# KiCad board m-blanc.kicad_pcb (continued)
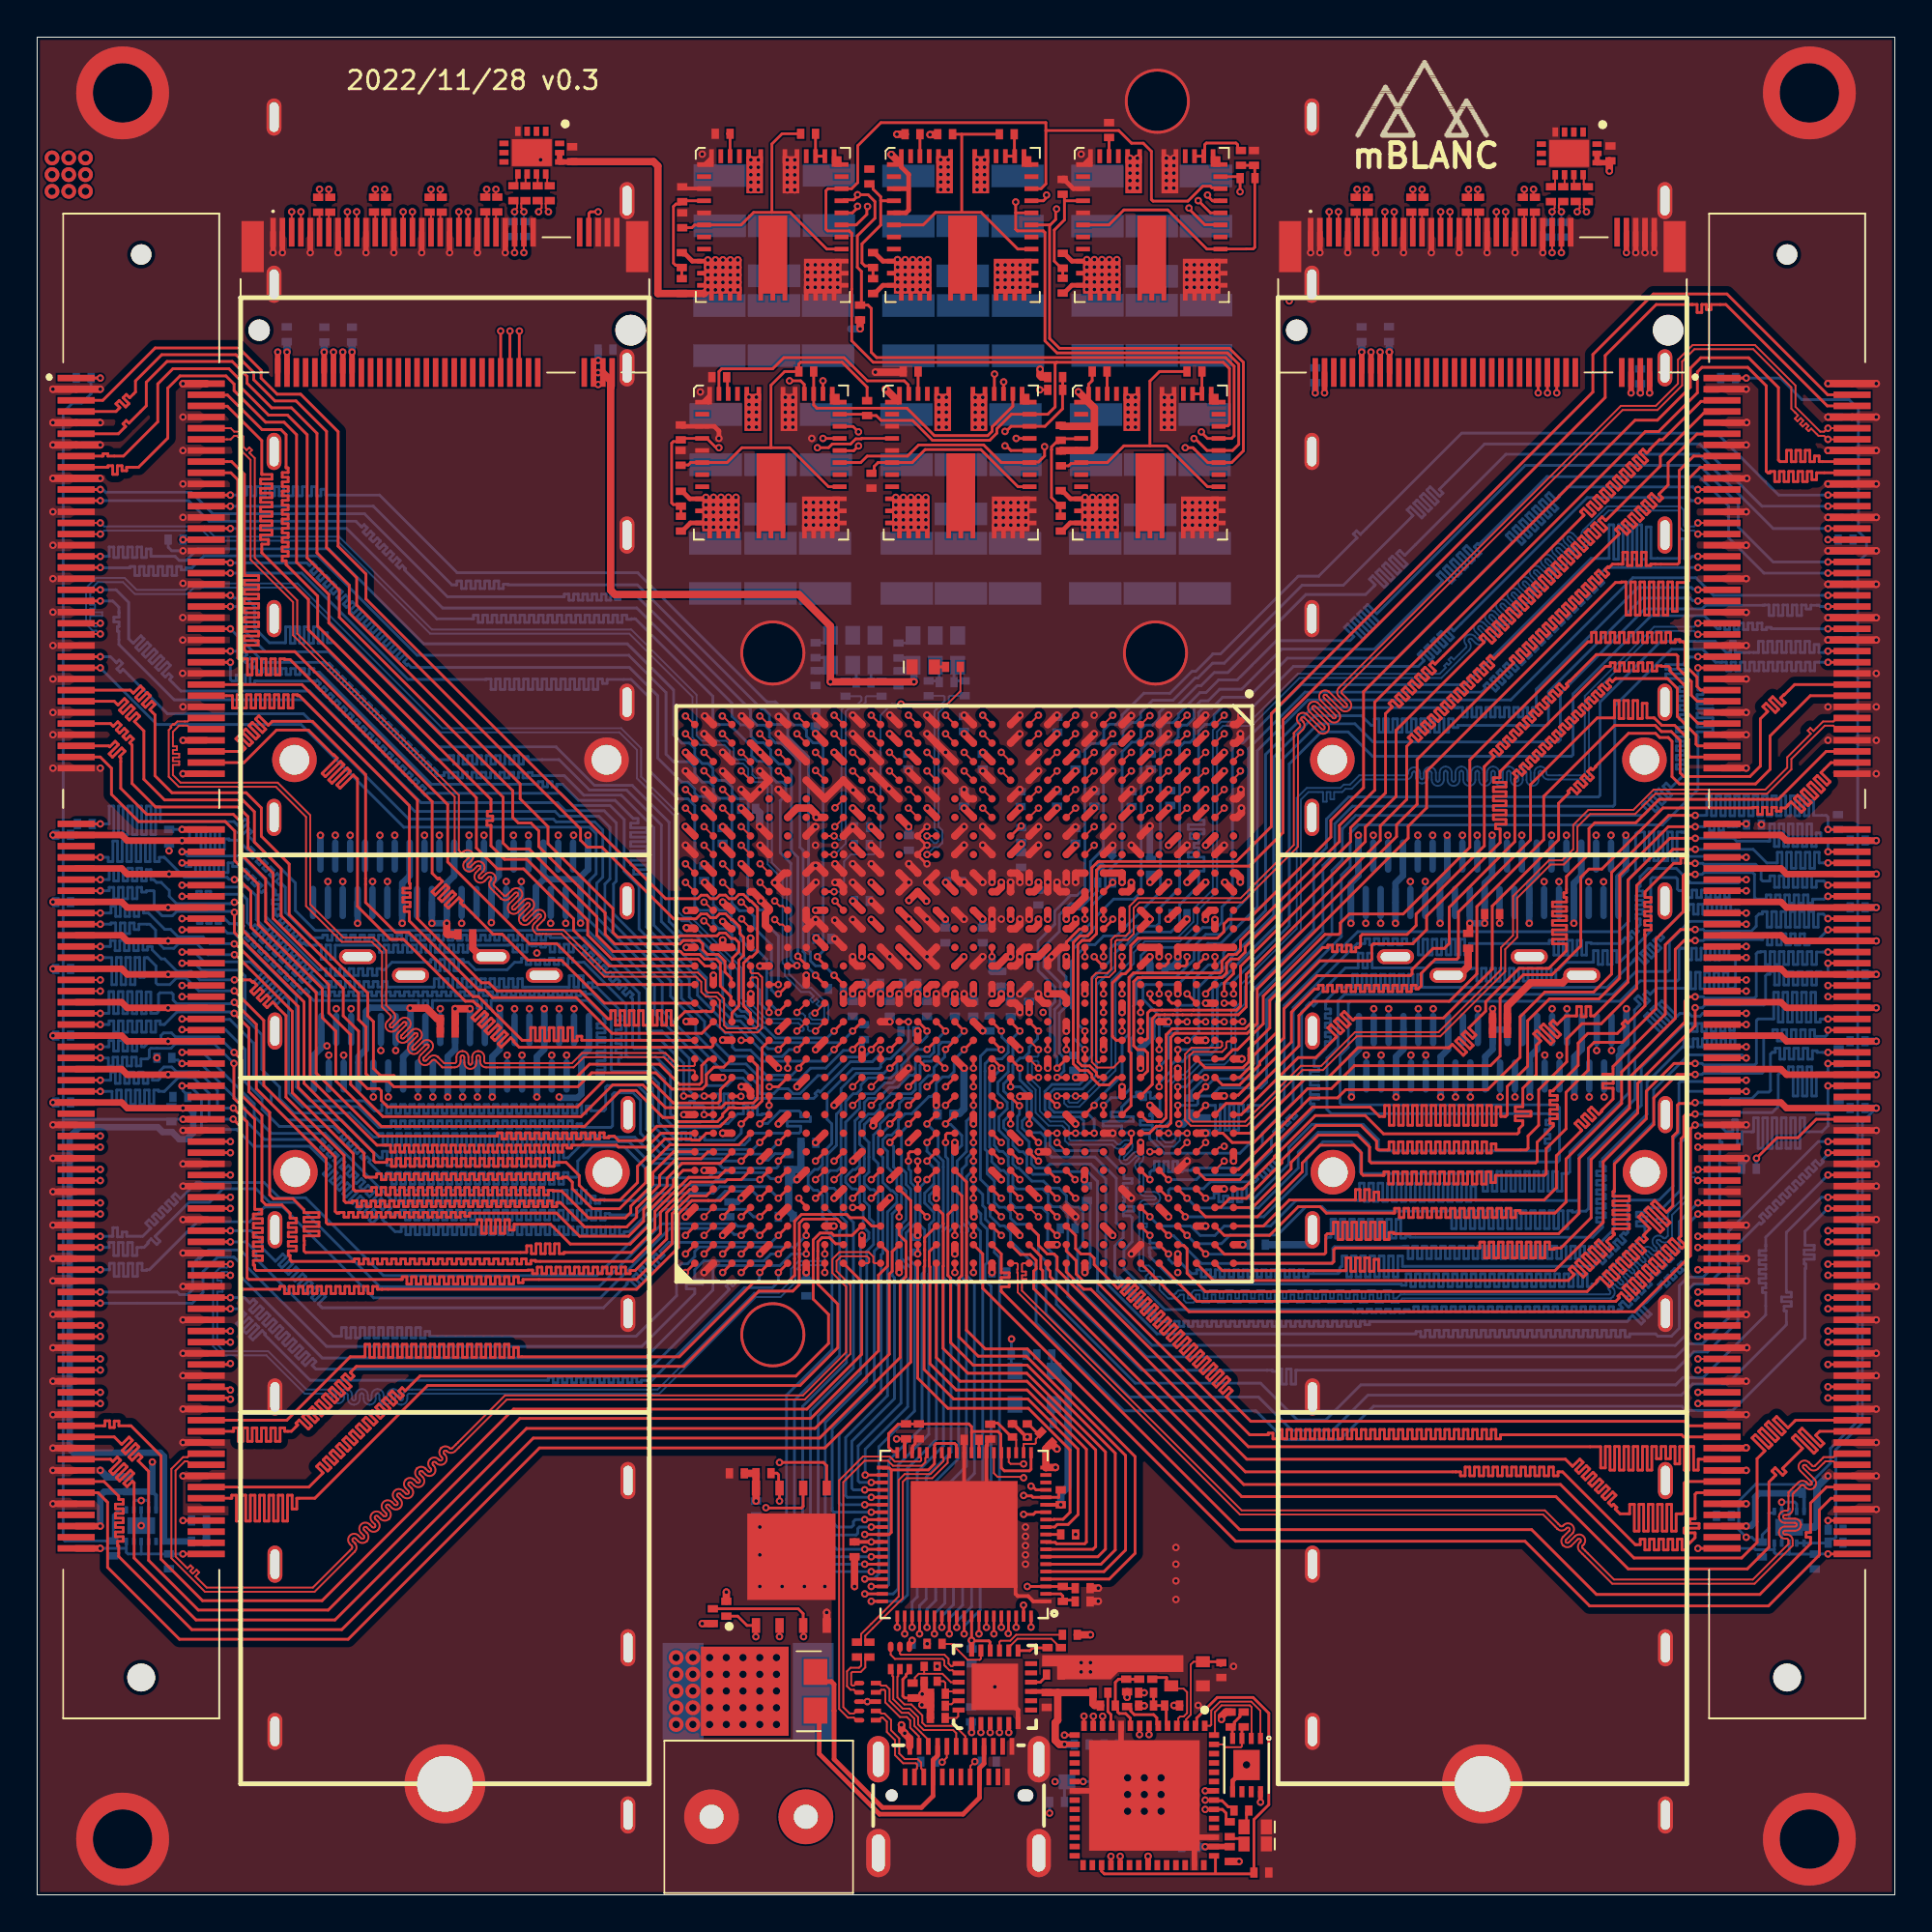
[diagram p0: board, top side]
## Routing (per net, layer and track width the routed paths; a pad name or vN(x,y) marks a point on that pad's centre or on a via; arc(x,y) is an arc through that point) (continued)
DRAM1_DQS2_N: length 60.8
  Top Layer w0.1: DIMM1.45 v1(3.4,68.45) ; v1(40.9,46.5) U1.AD17
  Bottom Layer w0.1: v1(3.4,68.45) 3.37,68.45 3.19,68.28 3.08,68.28 2.86,68.5 2.86,68.84 3.5,68.84 3.5,69.04 2.86,69.04 2.86,69.24 3.11,69.24 3.11,69.44 2.86,69.44 2.86,69.64 3,69.64 3,69.84 2.86,69.84 2.86,70.26 3.27,70.67 4.62,70.67 5.26,70.03 8.09,70.03 8.43,70.37 13.92,70.37 21.72,62.58 31.34,62.58 32.29,61.63 32.29,60.1 34.3,58.09 34.3,52.81 34.7,52.41 35.09,52.41 36.33,51.18 36.33,51.16 36.66,50.83 36.68,50.83 37.71,49.79 37.71,48.18 38.01,47.88 38.21,47.88 39.16,46.92 40.98,46.92 41.26,46.64 41.26,46.56 41.2,46.5 v1(40.9,46.5)
DRAM1_DQS2_P: length 59.9
  Top Layer w0.1: v1(41.9,46.5) U1.AC17 ; DIMM1.47 2.12,67.88 v1(3.4,67.88)
  Bottom Layer w0.1: v1(41.9,46.5) 41.57,46.5 41.49,46.58 41.49,46.73 41.07,47.15 39.26,47.15 38.3,48.1 38.1,48.1 37.93,48.27 37.93,49.89 36.77,51.05 36.76,51.05 36.55,51.26 36.55,51.27 35.18,52.64 34.8,52.64 34.53,52.91 34.53,58.18 32.51,60.19 32.51,61.73 31.44,62.8 21.81,62.8 14.02,70.59 8.34,70.59 7.99,70.25 5.35,70.25 4.71,70.89 3.17,70.89 2.63,70.35 2.63,68.4 2.99,68.05 3.19,68.05 3.37,67.88 v1(3.4,67.88)
DRAM1_DQS3_N: length 53.1
  Top Layer w0.1: DIMM1.62 8.28,63.35 8.15,63.23 8.15,63.22 8.09,63.16 7.54,63.16 7.36,62.98 7.32,63.03 7.18,62.89 7.22,62.84 7.08,62.7 7.08,60.19 7.62,59.65 12.85,59.65 14.48,58.03 14.48,53.23 16.4,51.3 18.01,51.3 18.56,50.75 18.56,47.8 19.02,47.34 arc(19.02,47.34) 19.02,47.34 arc(19.05,47.27) 19.02,47.19 18.85,47.02 arc(18.83,46.58) 19.27,46.53 19.27,46.53 19.71,46.96 arc(19.71,46.96) 19.71,46.96 arc(19.78,46.99) 19.85,46.97 arc(19.85,46.96) 19.85,46.96 arc(19.88,46.89) 19.85,46.82 19.45,46.42 arc(19.43,45.98) 19.87,45.93 19.87,45.93 20.31,46.36 arc(20.38,46.39) 20.45,46.36 arc(20.48,46.29) 20.45,46.22 arc(20.45,46.22) 20.45,46.22 20.05,45.82 arc(20.03,45.38) 20.47,45.32 20.48,45.32 20.91,45.76 arc(20.91,45.76) 20.91,45.76 arc(20.98,45.79) 21.06,45.76 arc(21.06,45.76) 21.06,45.76 arc(21.08,45.69) 21.06,45.62 20.65,45.22 arc(20.63,44.77) 21.07,44.72 21.08,44.72 21.28,44.93 arc(21.36,44.96) 21.43,44.93 arc(21.43,44.93) 21.43,44.93 21.81,44.54 22.47,44.54 arc(22.7,44.64) 22.79,44.87 22.79,45.09 arc(22.82,45.16) 22.89,45.19 arc(22.96,45.16) 22.99,45.09 22.99,44.79 arc(23.09,44.56) 23.32,44.46 arc(23.55,44.56) 23.64,44.79 23.64,45.09 arc(23.67,45.16) 23.74,45.19 arc(23.81,45.16) 23.84,45.09 23.84,44.87 arc(23.94,44.64) 24.17,44.54 28.88,44.54 29.43,45.09 33.73,45.09 34.43,44.39 35.34,44.39 35.4,44.33 U1.AK20
DRAM1_DQS3_P: length 54
  Top Layer w0.1: DIMM1.64 8.28,62.75 8.15,62.88 8.15,62.88 8.09,62.94 7.64,62.94 7.31,62.61 7.31,61.82 7.52,61.82 7.52,61.62 7.31,61.62 7.31,61.42 7.65,61.42 7.65,61.22 7.31,61.22 7.31,61.02 7.65,61.02 7.65,60.82 7.31,60.82 7.31,60.28 7.72,59.87 12.95,59.87 14.7,58.12 14.7,53.32 16,52.02 16.49,51.53 18.11,51.53 18.79,50.84 18.79,47.89 19.18,47.5 arc(19.18,47.5) 19.18,47.5 19.21,47.46 19.21,47.46 arc(19.28,47.24) 19.18,47.04 19.01,46.86 arc(19.01,46.86) 19.01,46.86 arc(18.98,46.79) 19.01,46.72 arc(19.08,46.69) 19.15,46.72 arc(19.15,46.72) 19.15,46.72 19.55,47.12 arc(19.78,47.22) 20.01,47.12 arc(20.11,46.92) 20.05,46.7 20.05,46.7 19.61,46.26 arc(19.58,46.19) 19.61,46.12 arc(19.68,46.09) 19.75,46.12 20.15,46.52 arc(20.59,46.54) 20.65,46.1 20.65,46.1 20.21,45.66 arc(20.18,45.59) 20.21,45.52 20.21,45.52 arc(20.28,45.49) 20.35,45.52 arc(20.35,45.52) 20.35,45.52 20.75,45.92 arc(20.98,46.02) 21.21,45.92 arc(21.31,45.72) 21.25,45.5 21.25,45.5 20.81,45.06 arc(20.81,45.06) 20.81,45.06 arc(20.78,44.99) 20.81,44.92 arc(20.88,44.89) 20.95,44.92 21.13,45.09 arc(21.33,45.19) 21.55,45.12 21.55,45.12 21.59,45.09 arc(21.59,45.09) 21.59,45.09 21.91,44.77 22.47,44.77 arc(22.54,44.8) 22.57,44.87 22.57,45.09 arc(22.66,45.32) 22.89,45.42 arc(23.12,45.32) 23.22,45.09 23.22,44.79 arc(23.25,44.72) 23.32,44.69 arc(23.39,44.72) 23.42,44.79 23.42,45.09 arc(23.51,45.32) 23.74,45.42 arc(23.97,45.32) 24.07,45.09 24.07,44.87 arc(24.1,44.8) 24.17,44.77 28.79,44.77 29.33,45.32 33.82,45.32 34.52,44.61 35.34,44.61 35.4,44.67 U1.AK19
DRAM1_DQS4_N: length 44.8
  Top Layer w0.1: v1(35.9,35.5) U1.AJ28 ; DIMM1.135 v1(3.4,39.05)
  InLayer2 (Signal) w0.1: v1(3.4,39.05) 3.41,39.05 3.61,38.86 4.09,38.86 4.09,39.02 4.29,39.02 4.29,38.86 4.49,38.86 4.49,39.02 4.69,39.02 4.69,38.86 4.89,38.86 4.89,39.02 5.09,39.02 5.09,38.86 5.29,38.86 5.29,38.94 5.49,38.94 5.49,38.86 6.31,38.86 9.1,36.07 9.1,35.79 10.26,34.62 10.58,34.62 12.18,33.03 14.25,33.03 14.79,33.57 32.99,33.57 34.03,32.54 36.43,32.54 37.3,33.41 37.3,34.82 37.24,34.88 36.48,34.88 36.29,35.07 36.29,35.83 36.23,35.89 35.96,35.89 35.9,35.83 v1(35.9,35.5)
DRAM1_DQS4_P: length 44.4
  Top Layer w0.1: v1(35.9,36.5) U1.AJ27 ; DIMM1.137 v1(3.4,38.45)
  InLayer2 (Signal) w0.1: v1(3.4,38.45) 3.43,38.45 3.61,38.63 4.75,38.63 4.75,38.63 4.95,38.63 4.95,38.63 6.22,38.63 8.88,35.97 8.88,35.7 10.17,34.4 10.49,34.4 12.09,32.8 14.34,32.8 14.89,33.35 32.9,33.35 33.93,32.31 36.52,32.31 37.53,33.31 37.53,34.91 37.34,35.1 36.57,35.1 36.52,35.16 36.52,35.92 36.33,36.11 35.96,36.11 35.9,36.17 v1(35.9,36.5)
DRAM1_DQS5_N: length 48.5
  Top Layer w0.1: DIMM1.152 v1(10.4,33.95) ; v1(42.4,33.5) U1.AC30
  Bottom Layer w0.1: v1(42.4,33.5) 42.4,33.83 42.34,33.89 41.09,33.89 40.81,33.61 40.81,32.97 40.02,32.18 38.7,32.18 33.49,26.97 20.02,26.97 arc(19.95,26.95) 19.92,26.88 19.92,26.71 arc(19.83,26.48) 19.6,26.38 arc(19.37,26.48) 19.27,26.71 19.27,26.9 arc(19.25,26.97) 19.17,27 arc(19.1,26.97) 19.07,26.9 19.07,26.71 arc(18.98,26.48) 18.75,26.38 arc(18.52,26.48) 18.42,26.71 18.42,26.9 arc(18.4,26.97) 18.32,27 arc(18.25,26.97) 18.22,26.9 18.22,26.71 arc(18.13,26.48) 17.9,26.38 arc(17.67,26.48) 17.57,26.71 17.57,26.9 arc(17.55,26.97) 17.47,27 arc(17.4,26.97) 17.37,26.9 17.37,26.71 arc(17.28,26.48) 17.05,26.38 arc(16.82,26.48) 16.72,26.71 16.72,26.9 arc(16.7,26.97) 16.62,27 arc(16.55,26.97) 16.52,26.9 16.52,26.79 arc(16.43,26.56) 16.2,26.46 arc(15.97,26.56) 15.87,26.79 15.87,26.88 arc(15.85,26.95) 15.77,26.97 14.41,26.97 12.34,29.04 9.96,29.04 9.47,29.53 9.47,33.39 9.84,33.76 10.21,33.76 v1(10.4,33.95)
DRAM1_DQS5_P: length 48.8
  Top Layer w0.1: v1(42.4,34.5) U1.AC29 ; v1(10.4,33.35) DIMM1.154
  Bottom Layer w0.1: v1(42.4,34.5) 42.4,34.18 42.34,34.12 41,34.12 40.58,33.7 40.58,33.06 39.93,32.41 38.6,32.41 33.39,27.2 20.02,27.2 arc(19.79,27.1) 19.7,26.88 19.7,26.71 arc(19.67,26.64) 19.6,26.61 arc(19.53,26.64) 19.5,26.71 19.5,26.9 arc(19.4,27.13) 19.17,27.22 arc(18.94,27.13) 18.85,26.9 18.85,26.71 arc(18.82,26.64) 18.75,26.61 arc(18.68,26.64) 18.65,26.71 18.65,26.9 arc(18.55,27.13) 18.32,27.22 arc(18.09,27.13) 18,26.9 18,26.71 arc(17.97,26.64) 17.9,26.61 arc(17.83,26.64) 17.8,26.71 17.8,26.9 arc(17.7,27.13) 17.47,27.22 arc(17.24,27.13) 17.15,26.9 17.15,26.71 arc(17.12,26.64) 17.05,26.61 arc(16.98,26.64) 16.95,26.71 16.95,26.9 arc(16.85,27.13) 16.62,27.22 arc(16.39,27.13) 16.3,26.9 16.3,26.79 arc(16.27,26.71) 16.2,26.69 arc(16.13,26.71) 16.1,26.79 16.1,26.88 arc(16,27.1) 15.77,27.2 14.5,27.2 12.43,29.27 10.05,29.27 9.7,29.62 9.7,32.46 9.98,32.46 9.98,32.66 9.7,32.66 9.7,32.86 9.92,32.86 9.92,33.06 9.7,33.06 9.7,33.3 9.94,33.54 10.21,33.54 v1(10.4,33.35)
DRAM1_DQS6_N: length 53.3
  Top Layer w0.1: v1(41.9,38.5) U1.AC25 ; DIMM1.169 v1(3.4,28.85)
  InLayer2 (Signal) w0.1: v1(3.4,28.85) 3.42,28.85 3.61,28.66 8.76,28.66 9.32,29.22 14.38,29.22 16.06,27.54 37.48,27.54 37.72,27.3 41.19,27.3 42.75,28.86 42.75,35.01 42.3,35.46 42.3,38.42 42.23,38.49 41.91,38.49 v1(41.9,38.5)
DRAM1_DQS6_P: length 53.8
  Top Layer w0.1: DIMM1.171 v1(3.4,28.25) ; v1(42.9,38.5) U1.AB25
  InLayer2 (Signal) w0.1: v1(42.9,38.5) 42.88,38.48 42.58,38.48 42.52,38.43 42.52,38.12 42.62,38.12 42.62,37.92 42.52,37.92 42.52,35.55 42.98,35.1 42.98,28.76 41.28,27.07 37.63,27.07 37.38,27.32 15.96,27.32 14.48,28.8 14.29,29 9.41,29 8.85,28.44 3.61,28.44 3.42,28.25 v1(3.4,28.25)
DRAM1_DQS7_N: length 64.8
  Top Layer w0.1: U1.AA30 44.73,34 44.79,34.06 44.79,34.26 44.67,34.38 43.28,34.38 43.03,34.13 43.03,33.57 43.77,32.83 43.77,29.12 41.32,26.66 25.28,26.66 22.7,24.09 arc(22.7,24.08) 22.7,24.08 22.51,23.89 arc(22.28,23.79) 22.05,23.89 arc(21.98,23.92) 21.91,23.89 arc(21.88,23.82) 21.91,23.75 21.95,23.7 arc(21.95,23.7) 21.95,23.7 arc(21.95,23.24) 21.49,23.24 21.45,23.28 arc(21.38,23.31) 21.31,23.29 arc(21.28,23.21) 21.31,23.14 arc(21.31,23.14) 21.31,23.14 21.35,23.1 arc(21.35,23.1) 21.35,23.1 arc(21.35,22.64) 20.89,22.64 20.74,22.79 arc(20.67,22.82) 20.6,22.79 arc(20.57,22.72) 20.6,22.65 20.74,22.5 arc(20.75,22.04) 20.29,22.04 20.14,22.19 arc(20.14,22.19) 20.14,22.19 arc(20.07,22.22) 20,22.19 arc(19.97,22.12) 20,22.05 arc(20,22.04) 20,22.04 20.14,21.9 arc(20.14,21.9) 20.14,21.9 arc(20.14,21.44) 19.68,21.44 19.54,21.59 arc(19.4,21.59) 19.4,21.44 19.54,21.3 arc(19.64,21.07) 19.54,20.84 arc(19.54,20.84) 19.54,20.84 arc(19.31,20.74) 19.08,20.84 18.94,20.98 arc(18.94,20.98) 18.94,20.98 arc(18.8,20.98) 18.8,20.84 arc(18.8,20.84) 18.8,20.84 18.94,20.7 arc(19.04,20.47) 18.94,20.24 arc(18.94,20.24) 18.94,20.24 arc(18.71,20.14) 18.48,20.24 18.34,20.38 arc(18.2,20.38) 18.2,20.24 18.34,20.1 arc(18.44,19.87) 18.34,19.64 arc(18.34,19.64) 18.34,19.64 arc(18.11,19.54) 17.88,19.64 17.74,19.78 arc(17.6,19.78) 17.6,19.64 arc(17.6,19.64) 17.6,19.64 17.74,19.5 arc(17.84,19.27) 17.74,19.04 arc(17.74,19.04) 17.74,19.04 arc(17.51,18.94) 17.28,19.04 17.14,19.18 arc(16.99,19.18) 17,19.04 17.1,18.94 arc(17.1,18.94) 17.1,18.94 17.13,18.91 17.13,18.9 arc(17.19,18.68) 17.1,18.48 arc(17.1,18.48) 17.1,18.48 16.98,18.36 14.93,16.32 9.03,16.32 7.23,18.12 7.23,22.93 7.86,23.56 8.09,23.56 8.15,23.62 8.15,23.62 8.28,23.75 DIMM1.186
DRAM1_DQS7_P: length 65.5
  Top Layer w0.1: DIMM1.188 8.28,23.15 8.15,23.28 8.15,23.28 8.09,23.34 7.95,23.34 7.45,22.84 7.45,18.22 8.09,17.57 8.26,17.74 8.4,17.6 8.23,17.43 8.37,17.29 8.58,17.5 8.72,17.36 8.52,17.15 9.12,16.54 14.84,16.54 16.82,18.52 16.94,18.64 arc(16.97,18.71) 16.94,18.78 16.84,18.88 arc(16.84,19.34) 17.3,19.34 17.44,19.2 arc(17.44,19.2) 17.44,19.2 arc(17.51,19.17) 17.58,19.2 arc(17.61,19.27) 17.58,19.34 17.44,19.48 arc(17.44,19.94) 17.9,19.94 18.04,19.8 arc(18.11,19.77) 18.18,19.8 arc(18.21,19.87) 18.18,19.94 18.04,20.08 arc(18.04,20.54) 18.5,20.54 arc(18.5,20.54) 18.5,20.54 18.64,20.4 arc(18.64,20.4) 18.64,20.4 arc(18.71,20.37) 18.78,20.4 arc(18.81,20.47) 18.78,20.54 18.64,20.68 arc(18.64,21.14) 19.1,21.14 19.24,21 arc(19.31,20.97) 19.38,21 arc(19.41,21.07) 19.38,21.14 19.24,21.29 arc(19.24,21.75) 19.7,21.74 arc(19.7,21.74) 19.7,21.74 19.84,21.6 arc(19.99,21.6) 19.98,21.74 19.84,21.89 arc(19.75,22.12) 19.84,22.35 arc(20.07,22.44) 20.3,22.35 20.44,22.2 arc(20.59,22.2) 20.59,22.34 arc(20.59,22.34) 20.59,22.34 20.44,22.49 arc(20.35,22.72) 20.44,22.95 arc(20.44,22.95) 20.44,22.95 arc(20.44,22.95) 20.44,22.95 arc(20.67,23.04) 20.9,22.95 21.05,22.8 arc(21.19,22.8) 21.19,22.94 21.15,22.98 arc(21.05,23.21) 21.15,23.44 arc(21.15,23.44) 21.15,23.44 arc(21.15,23.44) 21.15,23.45 arc(21.38,23.54) 21.61,23.44 21.65,23.4 arc(21.79,23.4) 21.79,23.55 arc(21.79,23.55) 21.79,23.55 21.75,23.59 arc(21.65,23.82) 21.75,24.05 arc(21.75,24.05) 21.75,24.05 arc(21.98,24.14) 22.21,24.05 arc(22.28,24.02) 22.35,24.05 22.54,24.24 arc(22.54,24.24) 22.54,24.24 22.66,24.36 25.19,26.89 41.23,26.89 43.55,29.21 43.55,32.74 42.81,33.48 42.81,34.22 43.19,34.6 44.76,34.6 45.01,34.35 45.01,34.06 45.07,34 U1.Y30
DRAM1_EVENT#: length 1.7
  Top Layer w0.15: v1(7.85,20.15) DIMM1.198
  Bottom Layer w0.15: R33.1 8.3,20.15 v1(7.85,20.15)
DRAM1_ODT0: length 70.7
  Top Layer w0.15: v1(39.9,37.5) U1.AE26 ; v1(7.8,44.75) DIMM1.116
  Bottom Layer w0.15: R23.1 7.37,44.94 7.59,44.94 7.77,44.75 v1(7.8,44.75) 7.83,44.72 8.83,44.72 11.2,42.35 11.2,41.7 12.24,40.66 15.09,40.66 15.2,40.55 15.33,40.68 15.51,40.5 15.24,40.23 15.42,40.05 15.69,40.33 15.86,40.15 15.59,39.88 15.77,39.7 16.04,39.97 16.22,39.79 15.95,39.52 16.12,39.35 16.39,39.62 16.57,39.44 16.3,39.17 16.48,38.99 16.75,39.26 16.93,39.09 16.65,38.82 16.83,38.64 17.1,38.91 17.28,38.73 17.01,38.46 17.18,38.29 17.46,38.56 17.63,38.38 17.36,38.11 17.54,37.93 17.81,38.2 17.99,38.03 17.72,37.76 17.89,37.58 18.16,37.85 18.34,37.67 18.07,37.4 18.25,37.23 18.52,37.5 18.69,37.32 18.42,37.05 18.6,36.87 18.87,37.14 19.05,36.97 18.85,36.77 19.02,36.59 19.09,36.66 19.15,36.6 19.58,36.6 19.58,36.85 19.83,36.85 19.83,36.33 20.08,36.33 20.08,36.85 20.33,36.85 20.33,36.33 20.58,36.33 20.58,36.85 20.83,36.85 20.83,36.33 21.08,36.33 21.08,36.85 21.33,36.85 21.33,36.33 21.58,36.33 21.58,36.85 21.83,36.85 21.83,36.33 22.08,36.33 22.08,36.85 22.33,36.85 22.33,36.33 22.58,36.33 22.58,36.85 22.83,36.85 22.83,36.33 23.08,36.33 23.08,36.85 23.33,36.85 23.33,36.33 23.58,36.33 23.58,36.85 23.83,36.85 23.83,36.33 24.08,36.33 24.08,36.85 24.33,36.85 24.33,36.33 24.58,36.33 24.58,36.85 24.83,36.85 24.83,36.33 25.08,36.33 25.08,36.85 25.33,36.85 25.33,36.33 25.58,36.33 25.58,36.85 25.83,36.85 25.83,36.33 26.08,36.33 26.08,36.85 26.33,36.85 26.33,36.33 26.58,36.33 26.58,36.85 26.83,36.85 26.83,36.33 27.08,36.33 27.08,36.85 27.33,36.85 27.33,36.33 27.58,36.33 27.58,36.85 27.83,36.85 27.83,36.33 28.08,36.33 28.08,36.85 28.33,36.85 28.33,36.33 28.58,36.33 28.58,36.85 28.82,36.85 28.82,36.33 29.07,36.33 29.07,36.85 29.32,36.85 29.32,36.33 29.57,36.33 29.57,36.85 29.82,36.85 29.82,36.33 30.07,36.33 30.07,36.85 30.32,36.85 30.32,36.33 30.57,36.33 30.57,36.68 30.82,36.68 30.82,36.6 32.2,36.6 33.37,37.77 36.39,37.77 36.75,38.12 39.27,38.12 v1(39.9,37.5)
DRAM1_ODT1: length 69.4
  Top Layer w0.15: v1(38.9,37.5) U1.AF26 ; v1(7.8,43.55) DIMM1.120
  Bottom Layer w0.15: R25.1 8.11,43.02 7.85,43.29 7.85,43.5 v1(7.8,43.55) 8.21,43.55 8.84,42.92 8.84,41.29 8.93,41.2 10.74,41.2 11.65,40.29 14.67,40.29 15.6,39.36 15.63,39.39 15.81,39.21 15.39,38.8 15.57,38.62 15.99,39.04 16.16,38.86 15.75,38.45 15.92,38.27 16.34,38.68 16.52,38.51 16.1,38.09 16.28,37.92 16.69,38.33 16.87,38.15 16.45,37.74 16.63,37.56 17.05,37.98 17.22,37.8 16.81,37.39 16.98,37.21 17.4,37.62 17.58,37.45 17.16,37.03 17.34,36.86 17.75,37.27 17.93,37.09 17.51,36.68 17.69,36.5 18.11,36.92 18.28,36.74 17.87,36.32 18.05,36.15 18.46,36.56 18.64,36.39 18.59,36.34 18.77,36.16 18.78,36.18 19.26,35.7 19.6,35.7 19.6,35.97 19.85,35.97 19.85,35.54 20.1,35.54 20.1,35.97 20.35,35.97 20.35,35.54 20.6,35.54 20.6,35.97 20.85,35.97 20.85,35.54 21.1,35.54 21.1,35.97 21.35,35.97 21.35,35.54 21.6,35.54 21.6,35.97 21.85,35.97 21.85,35.54 22.1,35.54 22.1,35.97 22.35,35.97 22.35,35.54 22.6,35.54 22.6,35.97 22.85,35.97 22.85,35.54 23.1,35.54 23.1,35.97 23.35,35.97 23.35,35.54 23.6,35.54 23.6,35.97 23.85,35.97 23.85,35.54 24.1,35.54 24.1,35.97 24.35,35.97 24.35,35.54 24.6,35.54 24.6,35.97 24.85,35.97 24.85,35.54 25.1,35.54 25.1,35.97 25.35,35.97 25.35,35.54 25.6,35.54 25.6,35.97 25.85,35.97 25.85,35.54 26.1,35.54 26.1,35.97 26.35,35.97 26.35,35.54 26.6,35.54 26.6,35.97 26.85,35.97 26.85,35.54 27.1,35.54 27.1,35.97 27.35,35.97 27.35,35.54 27.6,35.54 27.6,35.97 27.85,35.97 27.85,35.54 28.1,35.54 28.1,35.97 28.35,35.97 28.35,35.54 28.6,35.54 28.6,35.97 28.85,35.97 28.85,35.54 29.1,35.54 29.1,35.97 29.35,35.97 29.35,35.54 29.6,35.54 29.6,35.97 29.85,35.97 29.85,35.54 30.1,35.54 30.1,35.97 30.35,35.97 30.35,35.54 30.6,35.54 30.6,35.97 30.85,35.97 30.85,35.54 31.1,35.54 31.1,35.97 31.35,35.97 31.35,35.54 31.6,35.54 31.6,35.7 31.87,35.7 33.51,37.34 36.5,37.34 37.04,37.87 38.52,37.87 v1(38.9,37.5)
DRAM1_RAS#: length 68.1
  Top Layer w0.15: DIMM1.110 9.09,46.56 7.81,46.56 v1(7.8,46.58) ; v1(39.9,38.5) U1.AE25
  Bottom Layer w0.15: v1(39.9,38.5) 39.85,38.55 39.48,38.55 39.16,38.87 36.41,38.87 36.13,38.6 33.27,38.6 31.59,40.29 29.89,40.29 29.1,39.5 29.1,38.72 29.01,38.63 28.58,38.63 28.58,38.88 28.33,38.88 28.33,38.25 28.08,38.25 28.08,38.88 27.83,38.88 27.83,38.25 27.58,38.25 27.58,38.88 27.33,38.88 27.33,38.25 27.08,38.25 27.08,38.88 26.83,38.88 26.83,38.25 26.58,38.25 26.58,38.88 26.33,38.88 26.33,38.25 26.08,38.25 26.08,38.88 25.83,38.88 25.83,38.25 25.58,38.25 25.58,38.88 25.33,38.88 25.33,38.25 25.08,38.25 25.08,38.88 24.83,38.88 24.83,38.25 24.58,38.25 24.58,38.88 24.33,38.88 24.33,38.25 24.08,38.25 24.08,38.88 23.83,38.88 23.83,38.25 23.58,38.25 23.58,38.88 23.33,38.88 23.33,38.25 23.08,38.25 23.08,38.88 22.83,38.88 22.83,38.25 22.58,38.25 22.58,38.88 22.33,38.88 22.33,38.25 22.08,38.25 22.08,38.88 21.83,38.88 21.83,38.25 21.58,38.25 21.58,38.88 21.33,38.88 21.33,38.25 21.08,38.25 21.08,38.88 20.83,38.88 20.83,38.25 20.58,38.25 20.58,38.88 20.33,38.88 20.33,38.25 20.08,38.25 20.08,38.88 19.83,38.88 19.83,38.25 19.58,38.25 19.58,38.88 19.33,38.88 19.33,38.25 19.08,38.25 19.08,38.88 18.83,38.88 18.83,38.63 18.67,38.63 17.84,39.46 17.94,39.55 17.76,39.73 17.58,39.54 17.4,39.72 17.62,39.94 17.45,40.12 17.22,39.9 17.05,40.07 17.27,40.3 17.09,40.47 16.87,40.25 16.69,40.43 16.92,40.65 16.74,40.83 16.52,40.6 16.34,40.78 16.56,41 16.39,41.18 16.25,41.05 15.94,41.36 13.04,41.36 12.1,42.3 12.1,42.85 11.2,43.75 11.2,45.51 10.13,46.58 v1(7.8,46.58)
DRAM1_RESET#: length 87.6
  Top Layer w0.15: v1(7.85,72.95) DIMM1.30 ; U1.AE20 39.9,43.5 39.43,43.5
  InLayer4 (GND) w0.1: v1(39.42,43.5) 40.5,42.42 40.5,37.61 39.99,37.1 36.65,37.1 33.13,40.62 29.6,40.62 27.7,38.73 17.39,38.73 14.79,41.33 8.78,41.33 8.2,41.91 8.2,42.49 7.99,42.7 7.71,42.7 7.17,42.16 2.26,42.16 2.2,42.22 2.2,71.96 2.88,72.64 3.86,72.64 4.16,72.95 v1(7.85,72.95)
DRAM1_VTT: length 8.3
  Top Layer w0.15: v1(7.85,18.35) DIMM1.204
  Top Layer w0.35: DIMM1.203 v1(3.4,18.65)
  Bottom Layer w0.15: 4.8,18.65 4.8,18.44 4.89,18.35 5.6,18.35 ; 4.8,18.65 v1(3.4,18.65) ; 4.8,18.65 U7.5 ; v1(7.85,18.35) 5.6,18.35 ; 5.6,18.35 U7.3
DRAM1_VTTREF: length 136
  Top Layer w0.15: U1.AE19 40.4,45 40.4,44.5 v1(40.4,44.5) ; v1(46.4,36.5) U1.W27 ; v1(37.9,46) U1.AG18 ; v1(36.9,36.5) U1.AH27 ; DIMM1.1 3.35,81.65
  Top Layer w0.35: v1(7.85,41.75) DIMM1.126
  InLayer1 (GND) w0.1: v1(36.9,36.5) 37.41,37.01 40.36,37.01 40.88,36.5 45.4,36.5 ; 39.9,44 v1(40.4,44.5) ; 39.9,44 v1(37.9,46) ; 39.9,44 40.3,43.6 40.3,43.6 45.4,38.5 45.4,36.5 ; 45.4,36.5 v1(46.4,36.5)
  InLayer4 (GND) w0.15: v1(36.9,36.5) 33,40.4 29.7,40.4 27.8,38.5 17.3,38.5 14.7,41.1 8.5,41.1 v1(7.85,41.75)
  Bottom Layer w0.15: 2.9,81.65 2.9,80.8 2.4,80.3 1.9,80.3 1.4,79.8 1.4,41.75 ; 2.9,81.65 C2.2 ; 2.9,81.65 3.35,81.65 ; 1.4,41.75 v1(7.85,41.75) ; 1.4,41.75 1.4,19.14 1.49,19.05 C28.2 4.1,20.43 4.4,20.72 U7.6
  vias: v1(3.4,81.65)
DRAM1_WE#: length 67.7
  Top Layer w0.15: v1(10.6,45.35) 11,44.95 11,43.05 12.1,41.95 12.1,37.36 12.32,37.14 13.17,37.14 13.62,36.7 13.62,36.42 13.95,36.42 13.95,36.17 13.52,36.17 13.52,35.92 13.95,35.92 13.95,35.67 13.52,35.67 13.52,35.42 13.95,35.42 13.95,35.17 13.52,35.17 13.52,34.92 13.95,34.92 13.95,34.67 13.52,34.67 13.52,34.42 13.62,34.42 13.62,34.18 13.7,34.1 17.07,34.1 17.07,34.23 17.32,34.23 17.32,33.96 17.57,33.96 17.57,34.23 17.82,34.23 17.82,33.96 18.07,33.96 18.07,34.23 18.32,34.23 18.32,33.96 18.57,33.96 18.57,34.23 18.82,34.23 18.82,33.96 19.07,33.96 19.07,34.23 19.32,34.23 19.32,33.96 19.57,33.96 19.57,34.23 19.82,34.23 19.82,33.96 20.07,33.96 20.07,34.23 20.32,34.23 20.32,33.96 20.57,33.96 20.57,34.23 20.82,34.23 20.82,33.96 21.07,33.96 21.07,34.23 21.32,34.23 21.32,33.96 21.57,33.96 21.57,34.23 21.82,34.23 21.82,33.96 22.07,33.96 22.07,34.23 22.32,34.23 22.32,33.96 22.57,33.96 22.57,34.23 22.82,34.23 22.82,33.96 23.07,33.96 23.07,34.23 23.32,34.23 23.32,33.96 23.57,33.96 23.57,34.23 23.82,34.23 23.82,33.96 24.07,33.96 24.07,34.23 24.32,34.23 24.32,33.96 24.57,33.96 24.57,34.23 24.82,34.23 24.82,33.96 25.07,33.96 25.07,34.23 25.32,34.23 25.32,33.96 25.57,33.96 25.57,34.23 25.82,34.23 25.82,33.96 26.07,33.96 26.07,34.23 26.32,34.23 26.32,33.96 26.57,33.96 26.57,34.15 26.82,34.15 26.82,34.1 32.05,34.1 33.55,35.6 33.55,36.74 35.18,38.38 37.03,38.38 37.15,38.5 37.9,38.5 U1.AG25 ; DIMM1.113 v1(3.4,45.65)
  Bottom Layer w0.15: v1(10.6,45.35) 9.77,46.18 7.45,46.18 7.23,46.4 6.81,46.4 6.67,46.26 6.67,46.09 6.58,46.01 6.12,46.01 5.76,45.65 5.62,45.65 5.62,45.98 5.37,45.98 5.37,45.42 5.12,45.42 5.12,45.98 4.87,45.98 4.87,45.42 4.62,45.42 4.62,45.98 4.37,45.98 4.37,45.42 4.12,45.42 4.12,45.98 3.87,45.98 3.87,45.65 v1(3.4,45.65)
DRAM2_A0: length 65
  Top Layer w0.15: U1.A30 69.71,34 69.8,34.09 69.8,34.73 69.89,34.82 77.66,34.82 77.66,35.14 77.91,35.14 77.91,34.28 78.16,34.28 78.16,35.14 78.41,35.14 78.41,34.28 78.66,34.28 78.66,35.14 78.91,35.14 78.91,34.28 79.16,34.28 79.16,35.14 79.41,35.14 79.41,34.28 79.66,34.28 79.66,35.14 79.91,35.14 79.91,34.28 80.16,34.28 80.16,35.14 80.41,35.14 80.41,34.28 80.66,34.28 80.66,35.14 80.91,35.14 80.91,34.28 81.16,34.28 81.16,35.14 81.41,35.14 81.41,34.75 81.66,34.75 81.66,34.82 82.02,34.82 83.65,36.45 83.65,39.59 86.16,42.1 86.16,43.69 89.25,46.77 v1(89.25,47.75) ; v1(96.4,50.15) DIMM2.98
  Bottom Layer w0.15: v1(96.4,50.15) 96.4,49.65 96.31,49.56 96.03,49.56 96.03,49.7 95.78,49.7 95.78,48.98 95.53,48.98 95.53,49.7 95.28,49.7 95.28,48.98 95.03,48.98 95.03,49.7 94.78,49.7 94.78,48.98 94.53,48.98 94.53,49.7 94.28,49.7 94.28,48.98 94.03,48.98 94.03,49.7 93.78,49.7 93.78,48.98 93.53,48.98 93.53,49.7 93.28,49.7 93.28,49.56 93.13,49.56 93.04,49.47 93.04,47.99 92.95,47.9 89.78,47.9 89.63,47.75 v1(89.25,47.75)
DRAM2_A1: length 74.1
  Top Layer w0.15: DIMM2.97 v1(92,50.45) ; v1(61.8,36.5) 61.8,36.55 61.4,36.95 U1.D27
  Bottom Layer w0.15: 61.81,36.5 66.03,36.5 68.32,38.8 68.32,39.65 69.22,40.54 70.73,40.54 71.22,40.06 71.22,38.91 71.31,38.83 77.58,38.83 77.58,38.94 77.83,38.94 77.83,37.88 78.08,37.88 78.08,38.94 78.33,38.94 78.33,37.88 78.58,37.88 78.58,38.94 78.83,38.94 78.83,37.88 79.08,37.88 79.08,38.94 79.33,38.94 79.33,37.88 79.58,37.88 79.58,38.94 79.83,38.94 79.83,37.88 80.08,37.88 80.08,38.94 80.33,38.94 80.33,37.88 80.58,37.88 80.58,38.94 80.83,38.94 80.83,37.88 81.08,37.88 81.08,38.94 81.33,38.94 81.33,37.88 81.58,37.88 81.58,38.94 81.83,38.94 81.83,37.88 82.08,37.88 82.08,38.83 82.41,38.83 82.5,38.91 82.5,39.99 85.67,43.16 85.67,45.27 85.98,45.58 85.98,47.63 86.29,47.94 86.01,48.23 86.18,48.41 86.63,47.96 86.8,48.14 86.48,48.46 86.66,48.64 86.82,48.47 87.15,48.8 88.77,48.8 88.77,49.66 89.02,49.66 89.02,48.77 89.27,48.77 89.27,49.66 89.52,49.66 89.52,48.77 89.77,48.77 89.77,49.66 90.02,49.66 90.02,48.77 90.27,48.77 90.27,49.66 90.52,49.66 90.52,48.77 90.77,48.77 90.77,49.66 91.02,49.66 91.02,48.8 91.33,48.8 91.42,48.89 91.42,50.36 91.51,50.45 v1(92,50.45)
DRAM2_A2: length 66.2
  Top Layer w0.15: U1.B29 63.91,34.49 69.28,34.49 69.36,34.57 69.36,35.5 69.45,35.59 69.77,35.59 69.77,36.21 70.02,36.21 70.02,35.27 70.27,35.27 70.27,36.21 70.52,36.21 70.52,35.27 70.77,35.27 70.77,36.21 71.02,36.21 71.02,35.27 71.27,35.27 71.27,36.21 71.52,36.21 71.52,35.27 71.77,35.27 71.77,36.21 72.02,36.21 72.02,35.27 72.27,35.27 72.27,36.21 72.52,36.21 72.52,35.27 72.77,35.27 72.77,35.66 73.02,35.66 73.02,35.59 81.9,35.59 83,36.69 83,39.64 85.72,42.35 85.72,44.01 88.7,46.99 88.7,48.1 88.94,48.34 v1(89.25,48.34) ; v1(96.4,50.75) DIMM2.96
  Bottom Layer w0.15: v1(89.25,48.34) 89.69,48.34 89.76,48.27 92.45,48.27 92.54,48.36 92.54,50.66 92.63,50.75 92.78,50.75 92.78,50.77 93.03,50.77 93.03,50.08 93.28,50.08 93.28,50.77 93.53,50.77 93.53,50.08 93.78,50.08 93.78,50.77 94.03,50.77 94.03,50.08 94.28,50.08 94.28,50.77 94.53,50.77 94.53,50.08 94.78,50.08 94.78,50.77 95.03,50.77 95.03,50.08 95.28,50.08 95.28,50.77 95.53,50.77 95.53,50.08 95.78,50.08 95.78,50.75 v1(96.4,50.75)
DRAM2_A3: length 75.4
  Top Layer w0.15: v1(92,51.05) 91.82,51.05 DIMM2.95 ; U1.D26 v1(61.9,37.5)
  Bottom Layer w0.15: v1(92,51.05) 91.97,51.02 91.35,51.02 91.28,50.96 91.06,50.96 91.06,50.52 90.81,50.52 90.81,50.96 90.56,50.96 90.56,50.33 90.31,50.33 90.31,50.96 90.06,50.96 90.06,50.33 89.81,50.33 89.81,50.96 89.56,50.96 89.56,50.33 89.31,50.33 89.31,50.96 89.06,50.96 89.06,50.33 88.81,50.33 88.81,50.96 88.56,50.96 88.56,50.96 88.47,50.96 88.38,50.87 88.38,49.29 88.29,49.2 86.3,49.2 85.2,48.1 70.69,48.1 70.58,47.99 70.58,45.63 70.14,45.18 70.14,42.62 70.23,42.53 81.79,42.53 81.95,42.37 81.95,39.55 81.85,39.45 71.79,39.45 71.7,39.54 71.7,40.4 71.05,41.05 68.95,41.05 67.88,39.98 67.88,39.12 65.74,36.98 62.42,36.98 v1(61.9,37.5)
DRAM2_A4: length 65.4
  Top Layer w0.15: U1.B28 63.9,35.5 66.34,35.5 67.88,37.04 69.06,37.04 69.4,36.7 73.08,36.7 73.08,36.96 73.33,36.96 73.33,36.46 73.58,36.46 73.58,36.96 73.83,36.96 73.83,36.46 74.08,36.46 74.08,36.96 74.33,36.96 74.33,36.46 74.58,36.46 74.58,36.96 74.83,36.96 74.83,36.46 75.08,36.46 75.08,36.96 75.33,36.96 75.33,36.46 75.58,36.46 75.58,36.96 75.83,36.96 75.83,36.46 76.08,36.46 76.08,36.96 76.33,36.96 76.33,36.46 76.58,36.46 76.58,36.96 76.83,36.96 76.83,36.46 77.08,36.46 77.08,36.96 77.33,36.96 77.33,36.46 77.58,36.46 77.58,36.96 77.83,36.96 77.83,36.46 78.08,36.46 78.08,36.96 78.33,36.96 78.33,36.46 78.58,36.46 78.58,36.96 78.83,36.96 78.83,36.46 79.08,36.46 79.08,36.96 79.33,36.96 79.33,36.46 79.58,36.46 79.58,36.84 79.83,36.84 79.83,36.7 81.7,36.7 82.3,37.3 82.3,39.61 85.29,42.6 85.29,44.29 88.18,47.18 88.18,50.9 88.66,51.37 v1(89.25,51.37) ; v1(96.4,51.95) DIMM2.92
  Bottom Layer w0.15: v1(96.4,51.95) 95.87,51.42 95.39,51.42 95.39,51.13 95.14,51.13 95.14,51.74 94.89,51.74 94.89,51.13 94.64,51.13 94.64,51.74 94.39,51.74 94.39,51.13 94.14,51.13 94.14,51.74 93.89,51.74 93.89,51.13 93.64,51.13 93.64,51.74 93.39,51.74 93.39,51.13 93.14,51.13 93.14,51.74 92.89,51.74 92.89,51.42 89.75,51.42 89.7,51.37 v1(89.25,51.37)